# Altium PCB 幻影光靈-學院-武器_20241004.PcbDoc (continued)
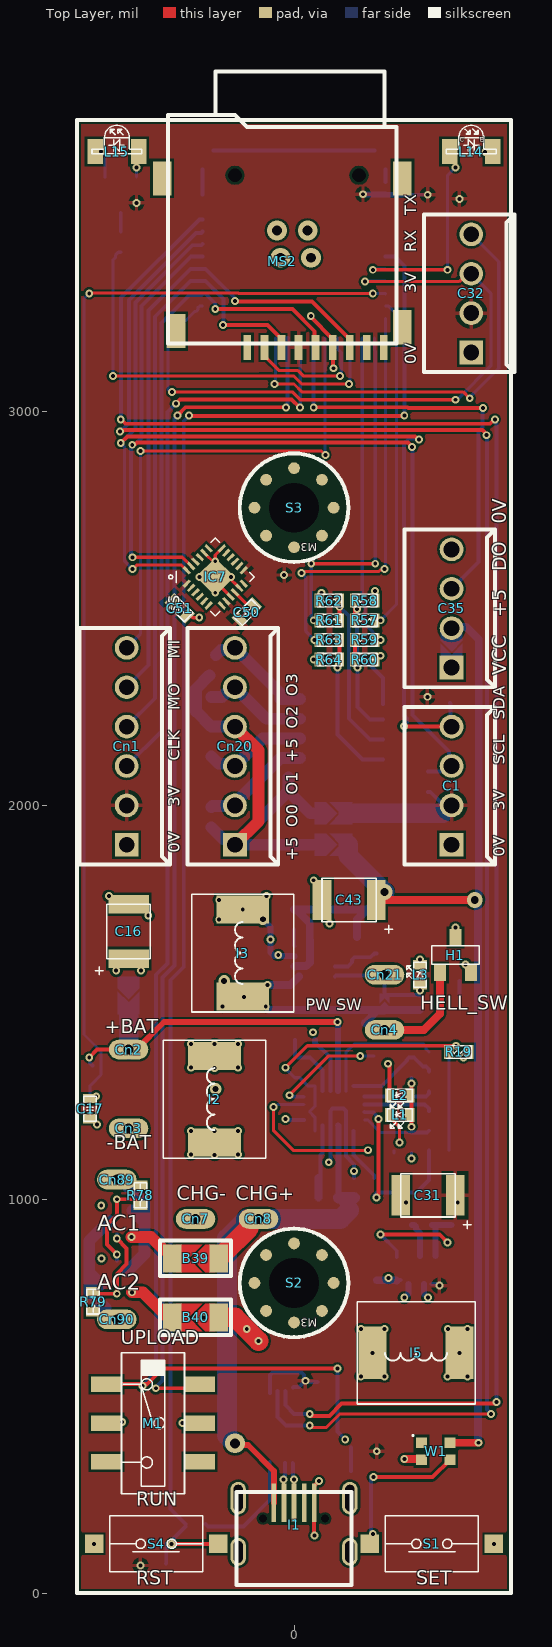
[diagram p0: Top Layer view]
## Footprints (in the part's own frame and the unit in brackets; to place one, negate y for a bottom-side part, rotate by r counter-clockwise, add the part's x,y. Pads: shape width x height; smd on the part's side, far side on the other; paste and mask are expansions set on the pad) (continued)

## Part data
B1 B2 B3 B5 B8 B39 B40: library part Bypass, "短路焊點(如標註短路則需額外補錫使其短路)"
C1 C32 C35: library part Contact(4P), "接線端子"
C2 C3 C4 C5 C6 C7 C8 C9 C10 C11 C12 C14 C15 C16 C17 C31 C33 C34 C43 C44 C45 C46 C47 C49 C50 C51: library part Cap, "電容"
  C9 C16 C17 C31 C43 C44 C45 C46 C47 C49 C50 C51: ComponentLink1Description=datasheet, ComponentLink1URL=https://product.tdk.com/system/files/dam/doc/product/capacitor/ceramic/mlcc/catalog/mlcc_commercial_general_en.pdf
  C14: ComponentLink1Description=datasheet, ComponentLink1URL=chrome-extension://efaidnbmnnnibpcajpcglclefindmkaj/https://product.tdk.com/system/files/dam/doc/product/capacitor/ceramic/mlcc/catalog/mlcc_commercial_general_en.pdf
Cn1 Cn20: library part Contact(6P), "接線端子"
Cn2 Cn3 Cn4 Cn7 Cn8 Cn21 Cn89 Cn90: "接線端子、接點、郵票孔(非焊接元件)"
H1: library part Sensor_Hall, "感測器_霍爾"
I1: "接頭_USB-Micro"
I2 I3: library part Inductor, "電感"
I5: library part Inductor, "一體成型電感"
IC1: "Integrated Circuit", Manufacturer_Name="Espressif Systems", Mouser Part Number=356-ESP32-MINI1PH3Q0, Datasheet Link=https://www.mouser.ca/datasheet/2/891/Espressif_Systems_04082021_ESP32_MINI_1-2295906.pdf, Height=2.55mm, Manufacturer_Part_Number=ESP32-MINI-1-N4, Mouser Price/Stock=https://www.mouser.co.uk/ProductDetail/Espressif-Systems/ESP32-MINI-1-N4?qs=DRkmTr78QAQ4lzAXUvxJJw%3D%3D
IC2: "單節鋰電池管理IC / M0:0、M1:0=輸入限流500ma / M0:0、M1:1=輸入限流900ma / M0:1、M1:0=根據ILIM / M0:NC、M1:NC=輸入限流2A / ILIM公式=1.14*40000/R，23K約2A / ISET公式=1.15*1800/R,1.05K約2A", Manufacturer_Name="Monolithic Power Systems (MPS)", Mouser Part Number=946-MP2617BGL-P, Datasheet Link=https://www.monolithicpower.com/pub/media/document/m/p/mp2617a_mp2617b_r1.23_2.pdf, Height=1.05mm, Manufacturer_Part_Number=MP2617BGL-P, Mouser Price/Stock=https://www.mouser.co.uk/ProductDetail/Monolithic-Power-Systems-MPS/MP2617BGL-P?qs=IW9Tsl75qsVicCXRSj7%2FvQ%3D%3D, Parameter 1=M0:0、M1:0=輸入限流500ma
IC4: library part MP3414DJ-LF-Z, "同步升压IC", Manufacturer_Name="Monolithic Power Systems (MPS)", Mouser Part Number=946-MP3414DJLFZ, ComponentLink1Description=datasheet, ComponentLink1URL=https://www.monolithicpower.cn/cn/documentview/productdocument/index/version/2/document_type/Datasheet/lang/en/sku/MP3414AGJ-Z/document_id/1172/, Datasheet Link=https://www.monolithicpower.com/en/documentview/productdocument/index/version/2/document_type/Datasheet/lang/en/sku/MP3414/document_id/1153/, Height=1mm, Manufacturer_Part_Number=MP3414DJ-LF-Z, Mouser Price/Stock=https://www.mouser.co.uk/ProductDetail/Monolithic-Power-Systems-MPS/MP3414DJ-LF-Z?qs=Pyu0ZBy%2FIJZOKilm4e4DTw%3D%3D
IC6: "升降壓IC 2.5~5.5 to 1.5~5", Manufacturer_Name="Monolithic Power Systems (MPS)", Mouser Part Number=946-MP28164GD-Z, ComponentLink1Description=datasheet, ComponentLink1URL=https://www.mouser.tw/datasheet/2/277/MP28164GD_Z-2945709.pdf, Datasheet Link=https://www.monolithicpower.com/DesktopModules/DocumentManage/API/Document/GetDocument?id=4470, Height=1mm, Manufacturer_Part_Number=MP28164GD-Z, Mouser Price/Stock=https://www.mouser.co.uk/ProductDetail/Monolithic-Power-Systems-MPS/MP28164GD-Z?qs=cslStgdnz9MCzqiB1I8TOA%3D%3D
IC7: "I2C,SPI,9軸陀螺儀", Manufacturer_Name=TDK, Mouser Part Number=410-MPU-9250, Datasheet Link=https://media.digikey.com/pdf/Data%20Sheets/TDK%20PDFs/MPU-9250_Rev_1.1.pdf, Height=1.05mm, Manufacturer_Part_Number=MPU-9250, Mouser Price/Stock=https://www.mouser.co.uk/ProductDetail/TDK-InvenSense/MPU-9250?qs=u4fy%2FsgLU9OhGjFkQSZssA%3D%3D
L1 L2 L3: library part LED, "LED"
L14: "LED,紅外線接收"
L15: library part LED, "LED,,紅外線發射"
M1: library part Switch_Slide_2, "開關_滑動_2通道"
MS2: "Micro SD 卡座"
Q1: library part MOS-N, "場效電晶體_N"
Q2: "MOS,雙PMOS", ComponentLink1Description=AON2801, ComponentLink1URL=https://aosmd.com/res/data_sheets/AON2801.pdf, ComponentLink2Description=AON2803, ComponentLink2URL=http://aosmd.com/pdfs/datasheet/AON2803.pdf, ComponentLink3Description=AON2809, ComponentLink3URL=https://static6.arrow.com/aropdfconversion/c15bcf60c1d0cbaad3e71569b3bcaeca466ad052/aon2809.pdf
Q4: "MOS,雙NMOS", ComponentLink1Description=AON2800, ComponentLink1URL=https://pese.oss-cn-shenzhen.aliyuncs.com/pdfs/Alpha-Omega-Semicon-AOS-AON2800_C125870.pdf, ComponentLink2Description=AON2802, ComponentLink2URL=https://aosmd.com/sites/default/files/res/datasheets/AON2802.pdf, ComponentLink3Description=AON2812, ComponentLink3URL=https://aosmd.com/res/data_sheets/AON2812.pdf, ComponentLink4Description=AON2810, ComponentLink4URL=https://aosmd.com/res/data_sheets/AON2810.pdf
R1 R2 R3 R4 R5 R6 R7 R8 R9 R10 R11 R12 R13 R14 R15 R16 R17 R18 R19 R20 R21 R22 R24 R25 R26 R57 R58 R59 R60 R61 R62 R63 R64 R78 R79 R100 R102 R108: library part Res, "電阻"
S1 S4: "開關_按鍵"
S2 S3: library part Screw, "螺絲(非焊接元件)"
U1: "USB轉TTL芯片", ComponentLink1Description=datasheet, ComponentLink1URL=https://datasheet.lcsc.com/szlcsc/2008191806_WCH-Jiangsu-Qin-Heng-CH340G_C14267.pdf
U2: "閘極驅動器 P型 50V 0.5A", Manufacturer_Name=Toshiba, Manufacturer_Part_Number=TBD62083AFNG,EL, Mouser Part Number=757-TBD60183AFNGEL, ComponentLink1Description=datasheet, ComponentLink1URL=https://www.mouser.tw/datasheet/2/408/TBD62083AFNG_datasheet_en_20160511-769697.pdf, Datasheet Link=chrome-extension://efaidnbmnnnibpcajpcglclefindmkaj/https://www.mouser.tw/datasheet/2/408/TBD62083AFWG_datasheet_en_20160511-769679.pdf, Geometry.Height=1.55mm, Mouser Price/Stock=https://www.mouser.co.uk/ProductDetail/Toshiba/TBD62183AFNGEL?qs=lYGu3FyN48dJ%2FQ%2FqZoTqjQ%3D%3D
U12: library part CS2130, "單鍵ON/OFF芯片", ComponentLink1Description=datasheet, ComponentLink1URL=http://www.szecm.com/Products/cs2130djkg.html
W1: library part WS2812B, "LED幻彩燈珠", Arrow Part Number=4684, Manufacturer_Name=Adafruit, Mouser Part Number=485-4684, Arrow Price/Stock=https://www.arrow.com/en/products/4684/adafruit-industries?region=nac, Datasheet Link=https://cdn-shop.adafruit.com/product-files/4684/4684_WS2812B-2020_V1.3_EN.pdf, Height=0.84mm, Manufacturer_Part_Number=4684, Mouser Price/Stock=https://www.mouser.co.uk/ProductDetail/Adafruit/4684?qs=DPoM0jnrROWIv9%2FMCIm5vw%3D%3D

## Via types
v1: diameter 20, hole 10, Top Layer to Bottom Layer, tented both sides, 176 vias
v2: diameter 50, hole 25, Top Layer to Bottom Layer, tented both sides, 5 vias
v3: diameter 30, hole 15, Top Layer to Bottom Layer, tented both sides, 3 vias
v4: diameter 40, hole 20, Top Layer to Bottom Layer, tented both sides, 2 vias

## Nets (pads, with @x,y where several pads share a name; then routed paths per layer and width w, separated by ;. In a path a pad name is that pad's centre, name@x,y a point inside that pad or via, vN(x,y) a via of type N, cw(c..) or ccw(c..) an arc to the next point about the centre after c; other vN are vias at no path point)
+3.3: B2.2 C1.2 C2.1 C10.1 C31.1 C32.2 C49.1 C50.2 C51.1 Cn1.2 IC1.3 IC6.7 IC6.13 IC7.1 IC7.8 IC7.13 IC7.22 MS2.4 R1.1 R16.1 R17.1 R18.2 R24.2 R100.1 R102.1 U1.7 U1.10 | length 742
  Bottom Layer w10: U1.7@-61.69,507.6 -60.78,508.5 -60.78,554.14 -54.92,560 19.64,560 25.5,554.14 25.5,544.97 28.69,541.78 28.69,535.73 28.82,535.59 C10.1 ; U1.10@-2.63,521.74 -1.72,522.65 12.42,522.65 v1@25.5,535.73 ; v1(175.16,3551.77) v1@175.75,3551.18 ; 289.41,3550.59 v1(339.41,3550.59) ; R16.1 345.91,2034.41 370.75,2009.57 390.43,2009.57 C1.2 ; IC6.7 359.21,784.57
  Bottom Layer w15: v1@175.75,3551.18 IC1.3 ; IC1.3@232.87,3550.59 289.41,3550.59
  Bottom Layer w50: B2.2 377.29,1980 397.29,2000 C1.2
  other v1: -390,70 210,360 28.82,538.94 369.06,780.63 415.75,991.5 338.5,2275.76 -25,2585 -400,3530 420,3540
+5: B1.2 B8.1 C15.1 C35.2 C43.1 IC4.2 R20.1 W1.4 | length 3125.4
  Top Layer w20: C43.1 v4(459,1760) ; W1.4 v1(468.35,381.65)
  Bottom Layer w20: C15.1 C15.1@5.91,1735.59 ; IC4.2 2.27,1591.88 30.81,1591.88 40.18,1601.25 40.18,1657.81 40,1657.99 40,1701.5 C15.1@5.91,1735.59 ; R20.1 160,1710 185.59,1735.59 ; v4(230,1780) 185.59,1735.59 ; C35.2@400,2462.4 409.69,2452.71 437.29,2452.71 469,2421 469,1775.41 459,1765.41 v4(459,1760) ; v1@466.83,381.65 v4@466.83,1754.59 ; C15.1@5.91,1735.59 185.59,1735.59
  Bottom Layer w50: B1.2 137.4,1872.6 v4(230,1780)
+5_USB: B39.1 C4.1 C5.1 Cn8.1 I1.1 IC2.3 R6.1 | length 1505.1
  Top Layer w15: v2(-150,380) -145.82,375.82 -117,375.82 -51.18,310 I1.1
  Top Layer w50: B39.1 -190.95,859.05 -189.57,860.43 -180.51,860.43 -115,925.94 -115,950 Cn8.1
  Bottom Layer w15: IC2.3 112.84,1186.54 112.84,998.98 140,971.82
  Bottom Layer w30: C5.1 R6.1
  Bottom Layer w50: v2(-150,380) -170,400 -170,900.71 -120.71,950 Cn8.1 118.18,950 140,971.82
+BAT: B3.1 B5.1 C8.1 C14.1 C16.1 C33.1 Cn4.1 H1.1 I2.2 I3.1 IC2.13 IC4.1 IC6.11 IC6.12 R8.2 U12.5 | length 2030.3
  Top Layer w20: Cn4.1 330,1430 370.64,1470.64 H1.1
  Layer 1 w40: v1(-451.5,1580.4) -300.4,1580.4 -280,1560
  Layer 1 w80: Cn4.1 280,1430 350,1360 350,1321.33 354.68,1316.65 354.68,954.68 240,840 v1(240,800)
  Layer 1 w100: 176,1430 Cn4.1
  Layer 2 w100: Cn4.1@203,1430 Cn4.1
  Bottom Layer w10: R8.2@53.78,1398.04 92.21,1359.61 IC2.13 ; IC6.11@266.72,795.32 270.55,795.32 IC6.11@270.63,795.24
  Bottom Layer w15: R8.2@53.78,1398.04 R8.2
  Bottom Layer w20: v1(-71.81,1488.94) -63.18,1480.32 B5.1 ; v1(-67.28,1543.94) -8.89,1543.94 IC4.1@12.72,1565.56 ; 179.45,1447.11 210.85,1478.51 228.51,1478.51 230,1480 U12.5 ; C33.1 259.29,794.41 IC6.12
  other v1: -201.81,1332.68 -261.81,1333.94 -141.81,1333.94 -261.81,1393.94 -201.81,1393.94 -141.81,1393.94 48.19,1423.94 -181.81,1488.94 -126.81,1513.94 -388.5,1580.4
  other v3: -198.93,1280 -177.28,1553.94
+BAT_Val: B3.2 C9.1 Cn2.1 IC2.14 R4.2 | length 943.7
  Top Layer w10: v1(-520,1360) -500,1380 -425.09,1380 Cn2.1@-423.46,1378.37
  Top Layer w15: Cn2.1@-423.46,1378.37 -401.63,1378.37 -330,1450 v1(110,1450)
  Bottom Layer w10: R4.2 R4.2@-512.04,1339.77
  Bottom Layer w15: v1(110,1450) 111.89,1448.11 IC2.14
  Bottom Layer w50: Cn2.1 B3.2@-420,1470.16
AC1: Cn89.1 Q2.6 Q2.7 Q4.6 Q4.7 R78.2 | length 313.9
  Bottom Layer w30: Q4.7@-425.04,815.67 -380,860.71 -380,941.13 ; Cn89.1@-421.17,1050.76 -421.17,1031.17 -380,990 -380,941.13 ; -410.45,971.58 -380,941.13
AC2: Cn90.1 Q2.3 Q2.8 Q4.3 Q4.8 R79.2 | length 357.4
  Bottom Layer w30: -489.55,783.42 -520,813.87 ; Q2.8 -469.29,940.16 -470.12,939.33 -474.96,939.33 -520,894.29 -520,813.87 ; Cn90.1 -469.59,695 -478.83,704.24 -478.83,723.83 -520,765 -520,813.87
AC_Out+: B39.2 Q2.1 Q2.4 | length 246.2
  Top Layer w30: v1(-412.37,903.98) -363.04,903.98 -329.49,870.43 -317.68,870.43 -309.06,861.81 B39.2
  Layer 2 w30: v1(-489.55,984.28) -410.81,905.54 v1(-412.37,903.98)
AC_Out-: B40.2 Q4.1 Q4.4 | length 249.8
  Top Layer w30: v1(-411.52,763.65) -383.65,763.65 B40.2@-310,690
  Layer 2 w30: v1(-489,849.28) -411.52,771.8 v1(-411.52,763.65)
AGND: C6.2 C7.2 IC2.6 IC2.8 IC2.11 R10.2 R11.2 R12.2 R13.2 R14.2 R19.2 | length 925.8
  Top Layer w8: v1(-21.81,1333.94) 33.94,1389.69 v1(411,1389.69)
  Bottom Layer w8: v1(-21.81,1333.94) -21.81,1332.44 2.29,1308.35 8.19,1308.35 14.1,1308.35 34.57,1287.88 IC2.11 52.84,1235.35 39.36,1221.87 52.84,1208.39 IC2.6 ; R10.2 C6.2 C7.2 R12.2 R13.2 R11.2
BAT_Vot: C17.1 IC1.11 R3.2 R4.1 | length 2832.8
  Top Layer w8: v1(-520,3300) -519,3301 -141.72,3301 -140.72,3300 v1(200,3300)
  Bottom Layer w8: v1(-520,3300) -533.21,3286.79 -533.21,1418.21 -490,1375 -490,1316.38 -517.87,1288.51 R3.2 ; v1(200,3300) 200.39,3299.61 231.89,3299.61 IC1.11
  other v1: -502.12,1261.5
BOOT_0: IC1.21 M1.5 | length 3072
  Top Layer w10: v1(-351,520) -250,520 M1.5 ; v1(-296.31,2990) -275.31,3011 -21,3011 v1(-20,3010)
  Bottom Layer w10: v1(-351,520) -351,522.71 -334,539.71 -334,1563.37 -304,1593.37 -304,2982.31 v1(-296.31,2990) ; v1(-20,3010) -16.14,3013.86 -16.14,3186.62 IC1.21
BOOT_1: IC1.20 M1.2 R1.2 R2.2 | length 3891
  Top Layer w10: M1.2 -475.8,530.42 v1@-384.64,530.42 ; v1(-384.64,525.32) v1@-384.64,530.42 ; -374.82,530.42 v1@-384.64,530.42 ; -373.98,530.05 -334.03,570 v1(110,570) ; v1(-300,3020) -289,3031 -6.47,3031 14.53,3010 v1(15.4,3010)
  Bottom Layer w10: v1(-384.64,525.32) -350,559.96 -350,1570 -321,1599 -321,2999 v1(-300,3020) ; v1(15.4,3010) 15.75,3010.35 IC1.20 ; v1(110,570) 110,410 v1(130,390) ; R2.2 R1.2
CHG_RST: C32.3 IC1.10 IC1.29 IC2.10 R7.2 | length 3789.8
  Top Layer w8: v1(-310,3050) -309.94,3049.94 -4.19,3049.94 15.75,3030 v1(410,3030) ; v1(-11.81,1263.94) 88.19,1363.94 v1(168.19,1363.94) ; v1(180,3330) 419.31,3330 439.31,3350 C32.3
  Layer 2 w10: v1(168.19,1363.94) 142,1390.13 142,2192 290,2340 290,2740 410,2860 v1(410,3030)
  Bottom Layer w8: v1(-310,3050) -313.25,3050 -317.93,3054.69 -320,3054.69 -320,3186.27 -252.17,3254.09 -248.72,3254.09 -244.03,3258.78 -244.03,3263.84 -240.16,3267.72 IC1.29 ; v1(-11.81,1263.94) -8.18,1260.32 IC2.10 ; v1(168.19,1363.94) R7.2 ; v1(180,3330) 180.71,3330.71 IC1.10 ; v1(410,3030) 413.25,3030 418.8,3035.55 419.56,3035.55 500,3115.99 500,3300 C32.3
CLK: Cn1.3 IC1.30 MS2.5 | length 1671.5
  Top Layer w10: v1(-200,3260) -4.07,3260 52.55,3203.37 52.55,3165.16 MS2.5
  Bottom Layer w10: Cn1.3 -337,2188 -337,3225.19 -265.85,3296.34 -235.16,3296.34 IC1.30 -224.41,3299.21 -200,3274.8 v1(-200,3260)
G1: Q2.2 Q4.2 R79.1 | length 233.2
  Top Layer w10: R79.1 -504.41,760 v1(-450,760) -450,810 -425,835 -425,875 v1(-450,900)
  Bottom Layer w10: Q4.2@-450.18,770.54 -450.18,775.37 Q4.2 ; Q2.2@-450.18,905.54 -450.18,910.37 Q2.2
G2: Q2.5 Q4.5 R78.1 | length 237.3
  Top Layer w10: v1(-450,860) -475,885 -475,935 -450,960 v1@-450,998.59 ; v1(-450,1000) -405.59,1000 R78.1
  Bottom Layer w10: Q4.5 Q4.5@-450,849.1 ; Q2.5 -450,986.31
GND: B40.1 C1.1 C2.2 C4.2 C5.2 C8.2 C9.2 C10.2 C12.2 C14.2 C15.2 C16.2 C17.2 C31.2 C32.1 C33.2 C34.2 C35.4 C43.2 C49.2 C51.2 Cn1.1 Cn3.1 Cn7.1 H1.3 I1.5 I1.PE IC1.1 IC1.2 IC1.27 IC1.38 IC1.39 IC1.40 IC1.41 IC1.42 IC1.43 IC1.44 IC1.45 IC1.46 IC1.47 IC1.48 IC1.49 IC1.50 IC1.51 IC1.52 IC1.53 IC1.54 IC1.55 IC2.5 IC4.4 IC4.6 IC6.2 IC6.5 IC6.9 IC7.9 IC7.11 IC7.18 IC7.20 IC7.25 L14.2 M1.1 M1.4 MS2.6 Q1.2 R3.1 R19.1 R21.1 R25.1 R26.1 R58.1 R60.1 R62.1 R64.1 S1.1 S4.2 U1.3 U2.9 U12.2 W1.2 | length 1478.8
  Top Layer w8: C51.2 -262.18,2481.9 -256.92,2476.64 v1(-240.61,2476.64) ; IC7.20@-225.06,2638.46 IC7.25@-203.3,2616.7 ; IC7.25@-200,2568.86 IC7.9 ; IC7.18 -200,2635.68 v1(-200,2620) IC7.25 -166.59,2580 IC7.11
  Top Layer w10: v1(42.63,3243) 42.63,3240.05 98.03,3184.65 MS2.6 99.02,3162.01 v1@99.02,3116.31 ; v1(52.47,146.22) 51.18,147.5 I1.5 51.18,272.36 v1(63.09,284.27)
  Top Layer w20: v1(280,340) 322.32,340 W1.2
  Top Layer w50: B40.1@-200,700 -150,700 v1(-90,640)
  Bottom Layer w10: IC1.38 IC1.39 IC1.40 ; IC1.41 IC1.42 IC1.43 IC1.44 IC1.45 IC1.46 IC1.47 IC1.48 IC1.49 IC1.50 IC1.51 IC1.52 IC1.53 IC1.54 ; C15.2 0,1643.87 IC4.4 ; C4.2 67.19,1058.53 67.19,1111.93 72.52,1117.26 IC2.5 ; IC1.2 IC1.1
  Bottom Layer w20: C5.2 C4.2
  other v1: -507.48,125 507.48,125 -283.31,431.57 -436.22,434.72 -120,670 -230,700 284.25,991.5 -500,1190 430,1360 410,1690 90,1700 -370,1720 -470,1770 50,1810 50,2370 220,2380 -200,2540 70,2540 205.58,2544.42 -240,2580 -160,2580 100,3110 485.43,3659.42
  other v2: -34.54,3390.65 43.21,3390.65 -43.21,3459.74 34.54,3459.74
HALL_ON: R22.1 U12.1 | length 37.5
  Bottom Layer w10: R22.1 420,1518.58 U12.1
LED_IE: IC1.16 R108.1 | length 1052.2
  Top Layer w8: v1(-460,3090) -90,3090 -89.94,3089.94 0.06,3089.94 20,3070 v1(140,3070)
  Bottom Layer w8: v1(-460,3090) -460,3384.41 -453.72,3390.7 -453.72,3396.6 -445.91,3404.41 R108.1 ; v1(140,3070) 141.73,3071.73 IC1.16
LED_IR: IC1.9 L14.1 R100.2 | length 491.5
  Top Layer w8: v1(200,3360) v1(390,3360)
  Bottom Layer w8: v1(200,3360) 202.2,3362.2 IC1.9 ; v1(390,3360) 390,3600 v1(410,3620)
LED_POWER: B1.1 B2.1 C44.2 C45.2 C46.2 C47.2 Cn20.1 Cn20.4 U2.10 | length 1188.4
  Top Layer w30: Cn20.1 -90,1960 -90,2140 Cn20.4
  Bottom Layer w30: C44.2@-214.82,2330 -248.72,2296.1 -248.72,2238.72 -210,2200 Cn20.4 ; C47.2 -180.59,1915 -165,1915 Cn20.1 ; U2.10@-14.12,2071.5 -14.12,2035.88 ; B1.1 Cn20.1 ; B2.1 41.77,1980 -14.12,2035.88 ; Cn20.1 -14.12,2035.88
LED_Singer: C35.3 IC1.19 | length 1082.7
  Top Layer w10: v1(50,3010) 51,3011 288.7,3011 290.7,3009 v1(479.5,3009)
  Bottom Layer w10: v1(50,3010) 50,3169.88 50.12,3170 ; C35.3 468,2618 468,2948.7 479,2959.7 479,3008.5 v1(479.5,3009)
MI: Cn1.5 IC1.32 MS2.7 | length 1632.8
  Top Layer w10: v1(-150,3281) -149,3280 45.98,3280 141.34,3184.65 MS2.7
  Bottom Layer w10: Cn1.5 -369,2356 -369,3256.18 -262.98,3362.2 IC1.32 -224.41,3362.2 -150,3287.8 v1(-150,3281)
MO: Cn1.4 IC1.31 MS2.3 | length 1551
  Top Layer w10: v1(-180,3220) -67.24,3220 -31.89,3184.65 MS2.3
  Bottom Layer w10: Cn1.4 -353,2272 -353,3240.68 -262.69,3331 -224.7,3331 -179,3285.3 -179,3221 v1(-180,3220)
MOS_0: C47.1 Cn20.2 U2.11 U2.12 | length 279.5
  Bottom Layer w30: C47.1 -207.24,1998.35 -151.65,1998.35 Cn20.2 -150,2005 -35,2120 U2.12@15,2120
MOS_1: C46.1 Cn20.3 U2.13 U2.14 | length 264.1
  Bottom Layer w30: C46.1 -191.33,2105.74 -155.74,2105.74 Cn20.3 -80,2170 15,2170
MOS_2: C45.1 Cn20.5 U2.15 U2.16 | length 268.2
  Bottom Layer w30: C45.1 -182.53,2275.59 -158.12,2300 Cn20.5 -70,2220 15,2220
MOS_3: C44.1 Cn20.6 U2.17 U2.18 | length 283.8
  Bottom Layer w30: C44.1@-198.51,2381.49 -185.74,2394.26 -155.74,2394.26 Cn20.6 -35,2285 -35,2270 15,2270
MOS_G_0: IC1.13 R63.1 | length 1036.3
  Top Layer w8: v1(18.69,2589.69) 20.98,2591.98 27.67,2591.98 29.37,2593.69 214.6,2593.69 218.62,2597.7 227.7,2597.7 v1(230,2600)
  Bottom Layer w8: v1(18.69,2589.69) 29.69,2578.69 29.69,2442.52 v1(52.2,2420) ; v1(230,2600) 232.28,2602.28 IC1.13
MOS_G_1: IC1.14 R61.1 | length 888.1
  Top Layer w8: v1@40,2610 v1(43.69,2613.69) v1(206.31,2613.69)
  Bottom Layer w8: v1(43.69,2613.69) 43.69,2479.56 50,2473.25 v1(50,2470) ; IC1.14 204.72,3154.62 206.31,3153.03 v1(206.31,2613.69)
MOS_G_2: IC1.15 R59.1 | length 809.8
  Bottom Layer w8: 175.18,3164.37 175.18,3185.06 IC1.15 173.23,2514.47 180.47,2507.22 180.47,2459.53 v1(220,2420)
MOS_G_3: IC1.12 R57.1 | length 830.4
  Bottom Layer w8: v1(220,2470) 260,2510 260,3247.87 240.16,3267.72 IC1.12
NetC3_1: C3.1 IC2.1 | length 141.5
  Bottom Layer w10: IC2.1 151.26,1112.37 203.78,1059.85 C3.1
NetC3_2: C3.2 I2.1 IC2.2 IC2.4 | length 354.8
  Bottom Layer w10: v1(88.19,1093.94) 92.21,1097.96 IC2.4 92.29,1187.56 92.29,1224.08 98.15,1229.94 125.64,1229.94 131.5,1224.08 131.5,1187.56 IC2.2 131.58,1109.42 152.6,1088.4 C3.2
  other v1: 152.6,1071.17 -201.81,1112.21 -261.81,1113.47 -141.81,1113.47 -261.81,1173.47 -201.81,1173.47 -141.81,1173.47
NetC6_1: C6.1 IC2.20 L1.2 L2.2 R9.1 R15.1 | length 403.2
  Top Layer w10: v1(298.19,1183.94) L2.2@298.19,1263.94 ; v1(298.19,1293.94) L2.2@298.19,1263.94 ; L2.2@298.19,1263.94 298.19,1213.94 L2.2@298.19,1263.94
  Bottom Layer w8: IC2.20 187.68,1201.26 219.41,1169.53 R9.1
  Bottom Layer w10: R9.1 338.19,1169.53 C6.1 ; v1(298.19,1293.94) R15.1
NetC7_1: C7.1 IC2.18 | length 174.2
  Bottom Layer w10: IC2.18 331.82,1240.63 342.6,1229.85 C7.1
NetC11_2: C11.2 U1.4 | length 289.5
  Bottom Layer w10: C11.2 -218.33,168.92 -128.59,168.92 -61.69,235.82 U1.4@-61.69,332.4
NetC34_1: C34.1 IC6.4 | length 90.7
  Bottom Layer w15: C34.1 305.91,934.41 310.22,930.1 310.22,924.19 319.84,914.57 IC6.4
NetC50_1: C50.1 IC7.10 | length 65.6
  Top Layer w8: IC7.10@-152.67,2543.81 -121.14,2512.27 -106.08,2512.27 C50.1
NetH1_2: H1.2 R22.2
  other v1: 435.75,1596.38
NetI3_2: I3.2 IC4.3 | length 157.8
  Bottom Layer w15: v3(-79.26,1710.93) -60,1691.67 -60,1626.88 -51.21,1618.09 0.18,1618.09 IC4.3
  other v1: -40,1620 -60,1659.28 -190,1710 -130.15,1735.24 -190,1760 -70,1770
NetI5_1: I5.1 IC6.8 | length 38.8
  Bottom Layer w15: IC6.8 329.69,760.32 v1(340,750)
  other v1: 390,550 440.83,550 420.24,610 390.47,670 440.83,670
NetI5_2: I5.2 IC6.10 | length 38.8
  Bottom Layer w15: v1(280,750) 290.31,760.32 IC6.10
  other v1: 169.53,550 229.53,550 199.76,610 170,670 230,670
NetIC2_7: IC2.7 R9.2 | length 454.7
  Layer 2 w10: v1(-21.81,1203.94) -21.81,1153.94 17.19,1114.94 149.88,1114.94 161.37,1103.45 v1(298.68,1103.45)
  Bottom Layer w8: R9.2@298.19,1118.35 298.68,1117.86 v1(298.68,1103.45)
  Bottom Layer w10: v1(-21.81,1203.94) -19.1,1203.94 -16.42,1201.26 IC2.7
NetIC2_9: IC2.9 R5.2 | length 400.8
  Top Layer w8: v1(-51.81,1233.94) -51.81,1173.94 -1.81,1123.94 187.68,1123.94 v1(188.19,1124.45)
  Bottom Layer w8: v1(-51.81,1233.94) -48.56,1233.94 -41.87,1240.63 IC2.9
NetIC2_12: IC2.12 R8.1 R14.1 | length 178.1
  Bottom Layer w10: R8.1 2.6,1365.12 R14.1 41.11,1359.53 72.52,1328.11 IC2.12
NetIC2_15: IC2.15 R11.1 | length 331.5
  Bottom Layer w8: IC2.15 131.58,1373.33 152.19,1393.94 330.11,1393.94 334.79,1389.25 334.79,1381.75 R11.1
NetIC2_16: IC2.16 R13.1 R15.2 | length 240.5
  Bottom Layer w10: IC2.16 222.81,1287.88 285.48,1350.55 285.48,1352.72 292.29,1359.53 R15.2 304.1,1359.53 326.97,1336.66 335.79,1336.66 342.6,1329.85 R13.1
NetIC2_17: IC2.17 R12.1 | length 172.9
  Bottom Layer w10: IC2.17 334.89,1260.32 342.6,1268.04 R12.1
NetIC2_19: IC2.19 R6.2 R10.1 | length 477.5
  Top Layer w10: v1(209.69,1003.94) 209.69,1006.65 214.79,1011.75 v1(214.79,1203.94)
  Bottom Layer w10: IC2.19 178.9,1220.87 201.26,1220.87 201.26,1220.17 214.79,1206.65 v1(214.79,1203.94) ; R6.2@203.78,1009.85 210.6,1016.66 310.91,1016.66 342.6,1048.35 R10.1
NetIC4_7: IC4.7 R20.2 R21.2 | length 123.3
  Bottom Layer w10: IC4.7 136.74,1591.15 147.28,1601.69 147.28,1607.6 154.09,1614.41 R20.2 194.09,1614.41 204.09,1624.41 R21.2
NetIC6_6: IC6.6 R24.1 R26.2 | length 135.7
  Bottom Layer w15: IC6.6 359.21,930.1 354.9,934.41 R26.2 R24.1
NetL1_1: L1.1 R5.1 | length 86.5
  Top Layer w8: L1.1 242.6,1208.04 268.19,1182.44 v1(268.19,1143.94)
  Bottom Layer w8: R5.1@253.78,1118.04 R5.1
NetL2_1: L2.1 R7.1 | length 81.8
  Top Layer w10: v1(238.19,1343.94) 242.6,1339.53 L2.1
NetL3_1: L3.1 R25.2
  other v1: 319.99,1608.5
NetL15_1: L15.1 Q1.3 | length 69.8
  Bottom Layer w8: v1(-490,3660) -490,3659.31 -480.01,3649.31 Q1.3
NetL15_2: L15.2 R102.2 | length 24.4
  Bottom Layer w8: R102.2 v1(-400,3620)
NetQ1_1: Q1.1 R108.2 | length 50.4
  Bottom Layer w8: Q1.1 -440,3505.07 R108.2
NetR2_1: R2.1 S1.2 W1.3 | length 358.9
  Top Layer w10: v1(201.49,294.25) 351.93,294.25 W1.3
  Bottom Layer w10: R2.1@195.59,294.25 195.59,157.12 200,152.71 v1(200,150)
NetR57_2: R57.2 R58.2 U2.1 U2.2 | length 319.4
  Top Layer w10: R57.2 R58.2
  Bottom Layer w10: v1(160.47,2498.94) 160.47,2389.53 226.14,2323.86 U2.1 U2.2
NetR59_2: R59.2 R60.2 U2.3 U2.4 | length 250.9
  Top Layer w10: R59.2 R60.2 159.09,2365.32 159.09,2351.91 v1(161,2350)
  Bottom Layer w10: v1(161,2350) 161,2250.18 192.8,2218.39 226.14,2218.39
NetR61_2: R61.2 R62.2 U2.5 U2.6 | length 452.4
  Top Layer w10: R61.2 v1(115.59,2504.25) R62.2
  Bottom Layer w10: v1(115.59,2504.25) 139.47,2480.37 139.47,2390.24 140,2389.71 140,2220 192.8,2167.2 226.14,2167.2
NetR63_2: R63.2 R64.2 U2.7 U2.8 | length 385
  Top Layer w10: v1(110,2350) 111.91,2351.91 111.91,2366.32 R64.2 R63.2
  Bottom Layer w10: v1(110,2350) 110,2180 173.98,2116.02 226.14,2116.02
POW_EN: B5.2 Cn21.1 IC4.8 IC6.1 L3.2 U12.6 | length 1188.7
  Top Layer w10: v1(220,910) 370,910 v1(390,890)
  Layer 2 w10: v1(320,1530) 390,1460 v1(390,890)
  Bottom Layer w10: IC4.8 106.12,1567.78 227.78,1567.78 Cn21.1 B5.2 231.14,1518.54 317.68,1518.54 U12.6 ; v1(220,910) 260.79,869.21 IC6.1
RTS: C11.1 C12.1 IC1.8 R17.2 S4.1 | length 4062.5
  Top Layer w10: v1(-310.62,125.01) S4.1 ; v1(-266.31,2990) -265.31,2989 279,2989 v1(280,2990)
  Bottom Layer w10: R17.2 -325,75.59 -324.41,76.18 C12.1 ; v1(-310.62,125.01) -308.7,126.92 -308.7,135.98 C11.1@-275.59,169.09 ; C11.1 -314,213.41 -314,1556 -280,1590 -280,2976.31 v1(-266.31,2990) ; IC1.8 232.69,3393.29 256.71,3393.29 280,3370 v1(280,2990)
RX0: IC1.35 U1.8 | length 4662.8
  Top Layer w8: v1@40,420 81.21,420 115.9,454.69 v1@500.43,454.69
  Top Layer w10: v1(-441.78,2949.54) -439.87,2951.45 -432.79,2951.45 -431.24,2953 478.14,2953 489,2942.14 v1(489,2940)
  Bottom Layer w10: v1(-441.78,2949.54) -440.77,2949.54 -419,2971.3 -419,3283.74 -248.92,3453.82 -235.16,3453.82 IC1.35 ; U1.8 -42,447 -20,425 v1(40,425) ; v1(489,2940) 490,2939 490,465.54 500,455.54 v1(500,454.69)
SCL: C1.3 IC1.33 IC7.23 R16.2 | length 2638
  Top Layer w8: v1(-410,2630) -283.41,2630 IC7.23
  Top Layer w10: v1(-410.8,2915.6) -408.89,2917.51 -402.19,2917.51 -398.7,2921 289,2921 v1(300,2910)
  Bottom Layer w10: v1(-410.8,2915.6) -412.71,2913.69 -412.71,2906.99 -413.38,2906.31 -413.38,2633.38 v1(-410,2630) ; v1@-407.45,2912.25 -387,2932.7 -387,3267.95 -261.66,3393.29 -232.69,3393.29 IC1.33 ; v1@301,2910 301,2229 393.18,2136.82 393.18,2106.71 372.06,2085.59 R16.2
SDA: C1.4 IC1.34 IC7.24 R18.1 | length 2807.9
  Top Layer w8: v1@-416.7,2600 v1@-413.41,2596.7 ; v1(-410,2600) -409.31,2600 -399.31,2610 -285.68,2610 IC7.24
  Top Layer w10: v1(-440,2920) -423,2937 307.04,2937 315.04,2929 v1(317.75,2929) ; v1@280,2200 C1.4
  Bottom Layer w8: v1(-440,2920) -440,2919.31 -430,2909.31 -430,2620 v1(-410,2600)
  Bottom Layer w10: v1(-440,2920) -403,2957 -403,3277 -257.68,3422.32 -235.16,3422.32 IC1.34 ; v1(279,2201) 279,2203.63 287.23,2211.86 287.23,2220.14 279,2228.37 279,2918.7 291.3,2931 308.7,2931 308.79,2930.91 315.83,2930.91 v1(317.75,2929) ; R18.1 397.8,2257.8 397.8,2202.2 C1.4
Spare_SS: Cn1.6 IC1.18 | length 1286.2
  Top Layer w8: v1(-390,2900) 69.31,2900 79.31,2890 v1(80,2890)
  Bottom Layer w8: Cn1.6 -390,2435 v1(-390,2900) ; IC1.18 78.74,2891.26 v1(80,2890)
SS: IC1.17 MS2.2 | length 337.2
  Top Layer w8: MS2.2 -75.2,3141.34 -37.8,3103.94 10.49,3103.94 24.43,3090 v1(116.61,3090)
  Bottom Layer w8: IC1.17 110.24,3159.76 120,3150 120,3093.56 116.61,3090.17 v1(116.61,3090)
TX0: IC1.36 U1.9 | length 4654.7
  Top Layer w10: v1(-440,2980) -439.14,2980 -428.14,2969 498.14,2969 509.14,2980 v1(510,2980) ; v1@40,450 90,450 121,481 v1@514.18,481
  Bottom Layer w10: v1(-440,2980) -439,2981 -439,3289.35 -240.16,3488.19 IC1.36 ; U1.9 -22.13,512.41 -22.13,477.13 0,455 v1(40,455) ; v1(510,2980) 511.91,2978.09 511.91,2971.61 514.39,2969.14 v1@514.39,485.8 ; v1(514.18,485.59) 514.59,485.59 v1@519.18,481
TX2: C32.4 IC1.22 | length 1105.1
  Top Layer w8: v1(-50,3069.94) -49.94,3070 0,3070 20,3050 429.31,3050 445.46,3033.85 v1(446.15,3033.85)
  Bottom Layer w8: v1(-50,3069.94) -50,3070 -47.24,3072.76 IC1.22 ; v1(446.15,3033.85) 446.15,3036.15 520,3110 520,3380 C32.4
USB_N: I1.2 U1.2 | length 43.8
  Bottom Layer w10: v1(-26.3,288) -24.38,289.91 -24.38,296.98 -22.63,298.74 -22.63,329.33 U1.2@-23.3,330
USB_P: I1.3 U1.1 | length 43.2
  Bottom Layer w10: U1.1@-3.3,330 -2.63,329.33 -2.63,297.41 -2.21,296.98 -2.21,289.91 v1(-0.3,288)
VCC: B8.2 C35.1
pads on no net: I1.4 I1.' IC1.4 IC1.5 IC1.6 IC1.7 IC1.23 IC1.24 IC1.25 IC1.26 IC1.28 IC1.37 IC4.5 IC6.3 IC7.2 IC7.3 IC7.4 IC7.5 IC7.6 IC7.7 IC7.12 IC7.14 IC7.15 IC7.16 IC7.17 IC7.19 IC7.21 M1.3 M1.6 MS2.1 MS2.8 MS2.9 MS2.10 S2.1 S3.1 U1.5 U1.6 U12.3 U12.4 W1.1

## Polygon pours and split planes (outlines as drawn)
+3.3 on Layer 1 "+3.3_L02_P074" (solid, pour order 74): -551.18,0 551.18,0 551.18,3740.16 -551.18,3740.16
NetC3_2 on Layer 1 "NETC3_2_L02_P004" (solid, pour order 4): -301.81,1253.94 -301.81,1023.94 178.19,1023.94 178.19,1253.94
+BAT on Layer 1 "+BAT_L02_P067" (solid, pour order 67): -301.81,1253.94 230,1253.94 230,1583.94 -301.81,1583.94
NetI5_1 on Layer 1 "NETI5_1_L02_P073" (solid, pour order 73): 459.61,760 459.61,481 321,481 320,480 320,760
NetI5_2 on Layer 1 "NETI5_2_L02_P070" (solid, pour order 70): 160.39,760 160.39,481 299,481 300,480 300,760
NetI3_2 on Layer 1 "NETI3_2_L02_P068" (solid, pour order 68): -290,1590 -290,1790 -288.84,1791.16 -1.16,1791.16 1.54,1788.46 1.54,1591.15
GND on Layer 2 "GND_L03_P072" (solid, pour order 72): -551.18,0 551.18,0 551.18,3740.16 -551.18,3740.16
+BAT on Layer 2 "+BAT_L03_P000" (solid, pour order 0): -301.81,1253.94 230,1253.94 230,1583.94 -301.81,1583.94
NetI5_1 on Layer 2 "NETI5_1_L03_P071" (solid, pour order 71): 459.61,760 459.61,481 321,481 320,480 320,760
NetI5_2 on Layer 2 "NETI5_2_L03_P069" (solid, pour order 69): 160.39,760 160.39,481 299,481 300,480 300,760
NetI3_2 on Layer 2 "NETI3_2_L03_P017" (solid, pour order 17): -290,1590 -290,1790 -288.84,1791.16 -1.16,1791.16 1.54,1788.46 1.54,1591.15
NetC3_2 on Layer 2 "NETC3_2_L03_P001" (solid, pour order 1): -301.81,1253.94 -301.81,1023.94 178.19,1023.94 178.19,1253.94
+3.3 on Top Layer "+3.3_L01_P002" (solid, pour order 2): -551.18,0 551.18,0 551.18,3740.16 -551.18,3740.16
GND on Bottom Layer "GND_L04_P003" (solid, pour order 3): -551.18,0 551.18,0 551.18,3740.16 -551.18,3740.16

## Keep-outs
Keep-Out Layer:
  the board outline again, w10

## Silkscreen, mask and mechanical layers (free items; w line width, h text height)
Top Overlay:
  the board outline again, w10
  text "0V          3V    RX   TX" at 320,3120 h50 r90
  text "VCC   +5   DO   0V" at 550,2330 h60 r90
  text "0V     3V     CLK    MO     MI     SS" at -280,1880 h50 r90
  text "0V     3V     SCL   SDA" at 545,1870 h50 r90
  text "+5  O0  O1  +5  O2  O3" at 10,1860 h30 r90
  text "PW SW" at 30,1480 h30
  text "HELL_SW" at 320,1470 h60
  text "+BAT" at -480,1410 h60
  text "-BAT" at -475,1115.3 h60
  text "CHG-" at -298.19,986.06 h60
  text "CHG+" at -148.19,986.06 h60
  text "AC1" at -500,920 h40
  text "AC2" at -500,770 h40
  text "UPLOAD" at -440,620 h60
  text "RUN" at -400,210 h60
  text "RST" at -400,10 h60
  text "SET" at 310,10 h60
Bottom Overlay:
  text "PW SW" at 180,1480 h30
  text "+BAT" at -370,1410 h60
  text "-BAT" at -365,1115.3 h60
  text "CHG-" at -188.19,986.06 h60
  text "CHG+" at -38.19,986.06 h60

## Text inside footprints (layer, text, board x,y; h text height)
L14: Top Overlay "C" at 421,3681 h20; Top Overlay "E" at 472,3681 h20